# Altium PCB 06042024_LaserCueing.PcbDoc (continued)
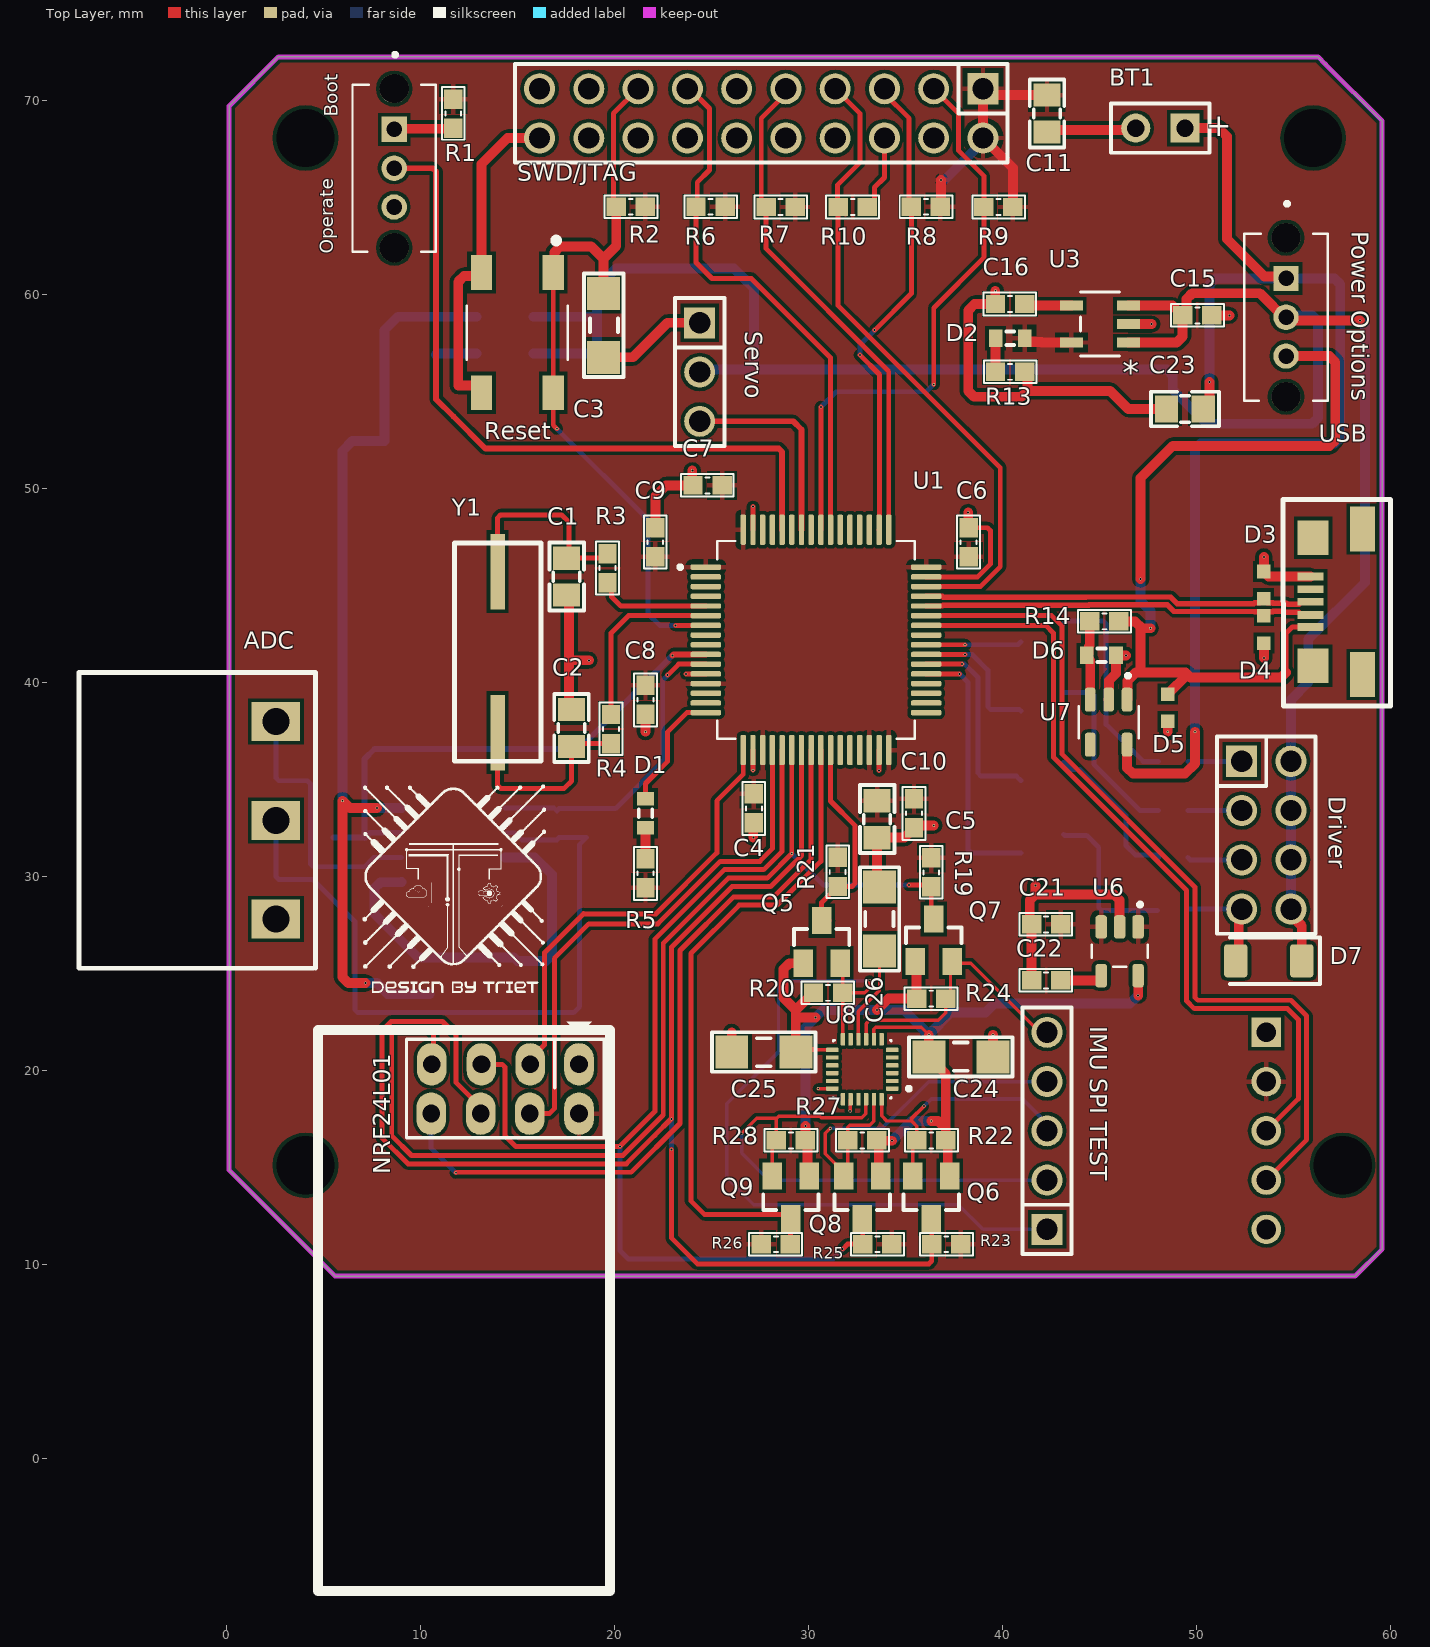
[diagram p0: Top Layer view]
## Part data
ADC: "Cắm", Chung_Loai=Cắm, Don_Vi=Con, Ma_Hang=MH000760, Ten_Linh_Kien="CON 3 2EDG5.08-3P 5.08MM ( Xanh Cong)"
Boot "Power Options": "Switch Slide ON ON SPDT Top Slide 0.1A 12VDC 10000Cycles PC Pins Thru-Hole Bulk", Package=None, Availability=Unavailable, MF="{'manufacturer': u'C&K'}", MP=OS102011MS2QN1, Price=None
BT1: "Multicell Battery", LatestRevisionDate=17-Jul-2002, LatestRevisionNote="Re-released for DXP Platform.", PackageDescription="Battery; 2 Leads", PackageReference=BAT-2, Published=24-Mar-1999, Publisher="Altium Limited"
C1 C2: library part "Tu 0805 20pF 50V 10%", "Dán", Chung_Loai=Dán, Don_Vi=Con, Ma_Hang=MH004558, So_Chan=2, Ten_Linh_Kien="Tụ 0805 20P 10% 50V"
C3 C24 C25 C26: library part "Tu 1206 104 50V 20%", "Dán", Chung_Loai=Dán, Don_Vi=Con, Ma_Hang=MH004544, So_Chan=2, Ten_Linh_Kien="Tụ 1206 104-0.1uF 20% 50V"
C4 C5 C6 C7 C8 C9: library part "Tu 0603 103 50V 10%", "Dán", Chung_Loai=Dán, Don_Vi=Con, Ma_Hang=MH004567, So_Chan=2, Ten_Linh_Kien="Tụ 0603 103-10nF 10% 50V"
C10 C11: library part "Tu 0805 225 25V 10%", "Dán", Chung_Loai=Dán, Don_Vi=Con, Ma_Hang=MH007483, So_Chan=2, Ten_Linh_Kien="Tụ 0805 225-2.2uF 25V 10%"
C12 C14: library part "Tu 0603 470pF 50V 10%", "Dán", Chung_Loai=Dán, Don_Vi=Con, Ma_Hang=MH004571, So_Chan=2, Ten_Linh_Kien="Tụ 0603 470P 50V 10%"
C13: library part "Tu 1206 105 50V 20%", "Dán", Chung_Loai=Dán, Don_Vi=Con, Ma_Hang=MH004545, So_Chan=2, Ten_Linh_Kien="Tụ 1206 105-1uF 20% 50V"
C15 C16 C17 C18 C19 C20 C21 C22: library part "Tu 0603 105 16V 20%", "Dán", Chung_Loai=Dán, Don_Vi=Con, Ma_Hang=MH004574, So_Chan=2, Ten_Linh_Kien="Tụ 0603 105-1uF 20% 16V"
C23: library part "Tu 0805 10pF 50V 10%", "Dán", Chung_Loai=Dán, Don_Vi=Con, Ma_Hang=MH004554, So_Chan=2, Ten_Linh_Kien="Tụ 0805 10P 10% 50V"
D1 D2 D6: library part Diode, "Default Diode", PackageDocument=Sep-1996, Code_JEDEC=DO-214-AB, LatestRevisionDate=17-Jul-2002, LatestRevisionNote="Re-released for DXP Platform.", PackageReference=SMC, Published=8-Jun-2000, Publisher="Altium Limited"
D3 D4 D5 U2 U6 U7: Package=None, Availability=Unavailable, Price=None
  D3 D4 D5: MF="{'manufacturer': u'TDK'}", MP=AVRL161A1R1NTA
  U2: MF="{'manufacturer': u'Texas Instruments'}", MP=OPA2335AID
  U6: MF="{'manufacturer': u'Texas Instruments'}", MP=TPS73618DBVTG4
  U7: MF="{'manufacturer': u'Analog Devices'}", MP=MAX1555EZK+
Driver: library part "JP 2x4 2.54 Duc Thang", "Cắm", Chung_Loai=Cắm, Don_Vi=Con, Ma_Hang=MH002686, Ten_Linh_Kien="Jump Đôi Đực 2.54MM 2x40P Thẳng 11MM"
"IMU SPI TEST": library part "JP 1x5 2.54 Duc Thang", "Cắm", Chung_Loai=Cắm, Don_Vi=Con, Ma_Hang=MH000903, Ten_Linh_Kien="Jump Đơn Đực 2.54MM 1x40P Thẳng 11MM"
JDY-18: library part "JP 1x5 2.54 Cai Cong", "Cắm", Chung_Loai=Cắm, Don_Vi=Con, Ma_Hang=MH001265, Ten_Linh_Kien="Jump Đơn Cái 2.54MM 1x40P Cong"
Q1 Q2 Q3 Q4 Q5 Q6 Q7 Q8 Q9: "<b>N-Channel MOSFET</b>    <a href=\"https://pricing.snapeda.com/parts/SI2312/Micro%20Commercial%20Components/view-part?ref=eda\">Check availability</a> <a href=\"https://pricing.snapeda.com/parts/SI2312/Micro%20Commercial%20Components/view-part?ref=eda\">Check availability</a>", Package=None, Availability=Unavailable, MF="{'manufacturer': u'Micro Commercial Components'}", MP=SI2312-TP, Price=None
R1 R2: library part "Tro 0603 1% 10k", "Dán", Chung_Loai=Dán, Don_Vi=Con, Ma_Hang=MH006333, So_Chan=2, Ten_Linh_Kien="Trở 0603 1% 10k"
R3 R4: library part "Tro 0603 1% 0R", "Dán", Chung_Loai=Dán, Don_Vi=Con, Ma_Hang=MH005792, So_Chan=2, Ten_Linh_Kien="Trở 0603 1% 0R"
R5 R14: library part "Tro 0603 1% 1k", "Dán", Chung_Loai=Dán, Don_Vi=Con, Ma_Hang=MH006334, So_Chan=2, Ten_Linh_Kien="Trở 0603 1% 1k"
R6 R7 R8 R9 R10: library part "Tro 0603 5% 4.7k", "Dán", Chung_Loai=Dán, Don_Vi=Con, Ma_Hang=MH006327, So_Chan=2, Ten_Linh_Kien="Trở 0603 5% 4.7k"
R11 R12: library part "Tro 0603 1% 3.9k", "Dán", Chung_Loai=Dán, Don_Vi=Con, Ma_Hang=MH005793, So_Chan=2, Ten_Linh_Kien="Trở 0603 1% 3.9k"
R13: library part "Tro 0603 5% 1k", "Dán", Chung_Loai=Dán, Don_Vi=Con, Ma_Hang=MH006319, So_Chan=2, Ten_Linh_Kien="Trở 0603 5% 1k"
R15 R16 R17 R18: library part "Tro 0603 5% 220R", "Dán", Chung_Loai=Dán, Don_Vi=Con, Ma_Hang=MH006322, So_Chan=2, Ten_Linh_Kien="Trở 0603 5% 220R"
R19 R20 R21 R22 R23 R24 R25 R26 R27 R28: library part "Tro 0603 5% 2.2k", "Dán", Chung_Loai=Dán, Don_Vi=Con, Ma_Hang=MH006321, So_Chan=2, Ten_Linh_Kien="Trở 0603 5% 2.2k"
Reset: "Switch Tactile N.O. SPST Button Gull Wing 0.05A 12VDC 0.98N SMD T/R", Package=None, Availability=Unavailable, MF="{'manufacturer': u'ALPS'}", MP=SKQGAFE010, Price=None
Servo: library part "JP 1x3 2.54 Duc Thang", "Cắm", Chung_Loai=Cắm, Don_Vi=Con, Ma_Hang=MH000903, Ten_Linh_Kien="Jump Đơn Đực 2.54MM 1x40P Thẳng 11MM"
SWD/JTAG: library part "JP 2x10 2.54 Duc Thang", "Cắm", Chung_Loai=Cắm, Don_Vi=Con, Ma_Hang=MH002686, Ten_Linh_Kien="Jump Đôi Đực 2.54MM 2x40P Thẳng 11MM"
U1: "MCU 32-Bit STM32 ARM Cortex M4 RISC 512KB Flash 2.5V/3.3V 64-Pin LQFP Tray", Package=None, Availability=Unavailable, MF="{'manufacturer': u'STMicroelectronics'}", MP=STM32F446RET6, Price=None
U3 U5: "No Description Available", Mfr_Name="Texas Instruments", RefDes=RefDes, Type=Type
U4: "Micropower, 400mV Reference with Rail-to-Rail Buffer Amplifier", Package=None, Availability=Unavailable, MF="{'manufacturer': u'Analog Devices'}", MP=LT6650IS5#TRPBF, Price=None
U8: "Accelerometer, Gyroscope, Magnetometer, 9 Axis Sensor IÂ²C, SPI Output", Package=None, Availability=Unavailable, MF="{'manufacturer': u'TDK InvenSense'}", MP=ICM-20948, Price=None
Y1: library part "Crystal 16MHz 20pF 2-Pin", "Crystal 16MHz 20pF 2-Pin HC-49/SD", Package="HC49/US Fox", Digi-Key_Part_Number=631-1017-2-ND, Digi-Key_Purchase_URL=https://www.digikey.tw/product-detail/en/fox-electronics/FC4SDCBMF16.0-T1/631-1017-2-ND/1024609?utm_source=snapeda&utm_medium=aggregator&utm_campaign=symbol, MF=Fox, MP=FOXSDLF/160-20, SnapEDA_Link=https://www.snapeda.com/parts/FOXSDLF/160-20/Fox%20Electronics/view-part/?ref=snap
D7: Datasheet=https://diotec.com/de/produktliste/SBD.html, ki_description="Schottky Diode", ki_keywords=Schottky, Reference=D

## Free pads (board coordinates)
  round 1.524 hole 3: 2(4.064,68.072) 3(4.064,15.113) 4(57.531,15.113) 5(56.007,68.072)

## Via types
v1: diameter 0.15, hole 0.1, Top Layer to Bottom Layer, 61 vias

## Nets (pads, with @x,y where several pads share a name; then routed paths per layer and width w, separated by ;. In a path a pad name is that pad's centre, name@x,y a point inside that pad or via, vN(x,y) a via of type N, cw(c..) or ccw(c..) an arc to the next point about the centre after c; other vN are vias at no path point)
0.4V: C18.1 U2.3 U2.5 U4.1 U4.5 | length 20.1
  Bottom Layer w0.508: U2.5 8.999,29.703 7.921,29.703 7.623,29.406 7.623,28.064 9.855,25.832 U4.5 U4.1 14.796,25.832 C18.1 14.998,25.654 16.466,25.654 16.764,25.952 16.764,30.099 15.875,30.988 U2.3
+1.8V: C24.1 C25.1 Q5.1 Q6.1 Q7.1 Q8.1 Q9.1 R20.2 R22.2 R24.2 R27.2 R28.2 U6.5 U8.8 U8.13 | length 59.1
  Top Layer w0.178: 30.353,21.082 31.205,21.082 U8.13 ; U8.8 33.366,22.121 33.47,22.225 35.814,22.225 v1(36.195,21.844)
  Top Layer w0.254: C25.1 29.464,21.082 30.353,21.082
  Top Layer w0.508: C25.1 29.337,22.86 ; Q5.1 29,25.527 28.702,25.229 28.702,23.75 29.337,23.115 ; v1(29.845,17.132) 29.845,16.41 R28.2 29.933,16.298 29.933,14.665 Q9.1 ; R20.2@30.225,24.003 29.337,23.115 ; v1(30.353,22.733) 29.464,22.733 29.337,22.86 ; R27.2 R27.2@33.531,16.383 ; v1(33.528,23.114) 34.121,23.707 R24.2 35.56,23.719 35.56,25.552 Q7.1 ; Q8.1 33.616,14.665 33.616,16.298 R27.2@33.531,16.383 ; v1(34.29,16.383) R27.2@33.531,16.383 ; v1(36.195,21.844) C24.1 37.072,19.824 37.072,17.006 ; v1(36.322,17.399) 36.679,17.399 37.072,17.006 ; Q6.1 37.172,14.665 37.172,16.298 R22.2 37.072,17.006 ; U6.5 46.99,24.887 v1(46.99,23.876) ; 29.337,22.86 29.337,23.115
  Bottom Layer w0.508: v1(29.845,17.132) 29.845,22.225 v1(30.353,22.733) 30.734,23.114 v1(33.528,23.114) 34.925,23.114 v1(36.195,21.844) 37.338,22.987 39.116,22.987 39.586,23.457 46.571,23.457 v1(46.99,23.876) ; v1(34.29,16.383) 35.306,17.399 v1(36.322,17.399)
+3.3V_STM32: C4.1 C5.1 C6.1 C7.1 C8.1 C9.1 C10.1 C11.1 C21.1 D2.1 JDY-18.2 NRF24L01.2 R1.2 R2.2 R5.2 R6.2 R7.2 R8.2 R9.2 R19.2 R21.2 R23.2 R25.2 R26.2 SWD/JTAG.1 SWD/JTAG.20 U1.1 U1.13 U1.19 U1.30 U1.32 U1.48 U1.64 U3.5 U6.1 U6.3 | length 17.4
  Top Layer w0.508: R8.2 36.83,64.496 v1(36.83,65.913) ; R9.2 40.533,66.528 SWD/JTAG.20 SWD/JTAG.1 39.313,70.288 C11.1 ; D2.1 41.136,57.65 41.232,57.554 42.014,57.554 42.037,57.531 U3.5
  Bottom Layer w0.508: v1(36.83,65.913) 37.007,65.913 38.989,67.895 SWD/JTAG.20
+5V: "Power Options.2" C15.1 C19.1 D7.K Driver.5 Driver.6 Driver.7 Driver.8 Servo.2 U3.1 U3.3 U5.1 U5.3 | length 115.9
  Top Layer w0.508: U3.1 48.978,57.531 49.276,57.829 49.276,58.915 48.76,59.431 U3.3 ; C15.1 49.479,59.119 49.479,59.773 49.777,60.071 53.259,60.071 54.656,58.674 v1(58.42,58.674) ; Driver.5 54.864,28.021 55.421,27.464 D7.K
  Bottom Layer w0.508: U5.3 18.798,56.962 19.096,57.26 C19.1 ; U5.1 19.043,58.862 C19.1 ; Servo.2 24.511,56.134 27.178,56.134 ; 54.61,58.833 54.705,58.928 55.963,58.928 56.261,58.63 56.261,53.638 55.963,53.34 50.546,53.34 48.768,55.118 48.768,55.836 48.47,56.134 27.178,56.134 ; Driver.5 Driver.6 Driver.7 Driver.8 54.864,39.116 55.753,40.005 55.753,42.232 58.674,45.153 58.674,58.42 v1(58.42,58.674) ; C19.1 19.096,60.371 20.066,61.341 26.162,61.341 27.178,60.325 27.178,56.134
+AVCC: C13.1 C17.1 U2.8 U4.4 U5.5 | length 48.3
  Top Layer w0.508: v1(7.163,24.511) 6.267,24.511 5.969,24.809 v1(5.969,33.909) 6.096,33.782 6.35,33.528 v1(7.747,33.528)
  Bottom Layer w0.508: v1(5.969,33.909) 5.969,51.943 6.476,52.45 C13.1 8.128,58.166 8.824,58.862 U5.5 ; v1(7.163,24.511) 7.735,24.511 C17.1 7.747,24.498 8.293,23.952 U4.4 ; v1(7.747,33.528) U2.8
+V_Bat: "Power Options.1" BT1.1 C23.1 U7.5 | length 61.9
  Top Layer w0.508: U7.5 46.416,35.604 46.714,35.306 49.403,35.306 49.911,35.814 v1(49.911,37.465) ; BT1.1 51.137,68.58 51.562,68.155 51.562,62.865 53.492,60.935 54.508,60.935 54.61,60.833 ; C23.1 50.673,54.43 v1(50.673,55.499)
  Bottom Layer w0.508: v1(49.911,37.465) 49.911,52.026 50.209,52.324 57.106,52.324 57.404,52.622 57.404,60.535 57.106,60.833 54.61,60.833 50.971,60.833 50.673,60.535 v1(50.673,55.499)
+V_USB: "Power Options.3" D5.1 R14.2 U7.1 USB.1 | length 44.5
  Top Layer w0.254: 54.61,40.513 54.61,42.545 54.931,42.866 USB.1
  Top Layer w0.508: R14.2 46.819,43.156 ; U7.1 46.437,39.137 46.437,40.087 46.863,40.513 47.244,40.513 ; v1(47.117,45.339) 47.117,50.546 48.768,52.197 56.852,52.197 57.15,52.495 57.15,56.535 56.852,56.833 54.61,56.833 ; v1(47.625,42.799) 47.176,42.799 46.819,43.156 ; D5.1 49.53,40.419 ; 54.61,40.513 54.356,40.259 49.69,40.259 49.53,40.419 ; 46.819,43.156 47.117,42.858 47.117,40.64 47.244,40.513 ; 47.244,40.513 49.436,40.513 49.53,40.419
  Bottom Layer w0.508: v1(47.117,45.339) 47.117,44.196 47.625,43.688 v1(47.625,42.799)
Boot: Boot.2 U1.60 | length 36.9
  Top Layer w0.3: Boot.2 10.619,66.516 10.795,66.34 10.795,54.61 11.694,53.711 13.335,52.07 28.455,52.07 28.631,51.894 U1.60
GND: ADC.1 Boot.3 BT1.2 C1.2 C2.2 C3.2 C4.2 C5.2 C6.2 C7.2 C8.2 C9.2 C10.2 C11.2 C13.2 C15.2 C16.2 C17.2 C18.2 C19.2 C20.2 C21.2 C22.2 C23.2 C24.2 C25.2 C26.2 D3.2 D4.2 D5.2 D6.2 JDY-18.1 NRF24L01.1 pad.2 pad.3 pad.4 pad.5 Q1.2 Q2.2 Q3.2 Q4.2 R10.1 R13.2 Reset.3 Reset.4 Servo.1 SWD/JTAG.11 SWD/JTAG.12 SWD/JTAG.13 SWD/JTAG.14 SWD/JTAG.15 SWD/JTAG.16 SWD/JTAG.17 SWD/JTAG.18 SWD/JTAG.19 U1.12 U1.18 U1.31 U1.47 U1.63 U2.4 U3.2 U4.2 U5.2 U6.2 U7.2 U8.18 U8.20 USB.5 | length 104.6
  Top Layer w0.178: v1(30.496,19.066) U8.18 ; v1(32.137,17.913) 32.143,17.919 32.143,18.498 U8.20
  Top Layer w0.254: v1(23.685,40.449) U1.12 ; v1(27.131,35.48) U1.18 ; U1.63 v1(27.131,49.069) ; R10.1 33.048,64.516 33.396,64.864 33.396,65.527 33.909,66.04 SWD/JTAG.18 ; v1(33.631,35.457) U1.31 ; U1.47 38.718,45.449 39.37,46.101 39.37,47.833 39.221,47.982 C6.2
  Top Layer w0.508: Reset.4 13.136,55.01 12.84,55.306 11.938,55.306 11.938,60.662 12.236,60.96 12.957,60.96 Reset.3 13.136,66.73 14.478,68.072 SWD/JTAG.11 ; C1.2 17.651,44.383 17.651,41.148 ; C2.2 17.651,38.737 17.651,41.148 ; v1(18.669,41.148) 17.651,41.148 ; C3.2 20.955,56.769 22.733,58.547 Servo.1 ; v1(21.59,37.465) C8.2 ; C9.2 22.098,49.613 22.65,50.165 C7.2 24.003,50.199 v1(24.003,50.927) ; v1(26.035,21.971) 26.035,20.957 C25.2 ; v1(27.149,32.009) 27.149,32.737 C4.2 ; C26.2 33.528,29.589 C10.2 34.95,32.004 35.433,32.487 C5.2 35.56,32.639 v1(36.449,32.639) ; v1(38.227,48.768) 38.227,47.999 C6.2 ; C24.2 39.497,20.703 v1(39.497,21.844) ; v1(39.624,60.198) 39.624,59.527 C16.2 38.56,59.515 38.227,59.182 38.227,55.035 38.525,54.737 40.977,54.737 41.275,55.035 ; R13.2 41.275,55.878 41.275,55.035 ; C22.2 C21.2 41.402,27.624 41.402,28.785 41.7,29.083 ; v1(41.7,29.547) 41.7,29.083 ; C11.2 42.384,68.484 46.767,68.484 BT1.2 ; U7.2 45.487,39.137 45.487,40.107 45.847,40.467 D6.2 v1(46.355,41.402) ; U6.2 46.035,28.785 45.737,29.083 41.7,29.083 ; U3.2 v1(47.686,58.481) ; C23.2 46.479,54.105 45.549,55.035 41.275,55.035 ; v1(48.514,37.465) D5.2 ; C15.2 v1(51.689,58.928) ; v1(53.467,41.275) D4.2 ; v1(53.467,46.482) 53.467,45.741 D3.2 53.712,45.466 USB.5
IMU_CS: Q9.3 R26.1 U1.25 | length 34
  Top Layer w0.254: R26.1 29.059,12.341 28.827,12.573 24.638,12.573 23.927,13.284 23.927,26.035 26.416,28.524 28.373,28.524 30.631,30.782 U1.25
IMU_INT: Q5.3 R21.1 U1.26 | length 10.9
  Top Layer w0.254: Q5.3@30.353,28.206 30.573,28.206 30.667,28.3 30.667,28.659 31.123,29.115 31.148,29.115 31.496,29.463 R21.1 32.236,29.488 32.385,29.637 32.385,32.639 31.131,33.893 U1.26 ; Q5.3 Q5.3@30.927,27.981 ; Q5.3@30.863,27.918 Q5.3@31.054,27.727
IMU_MISO: "IMU SPI TEST.5" Q7.2 R24.1 U8.9 | length 14.2
  Top Layer w0.178: U8.9 32.966,22.425 33.134,22.593 36.69,22.593 37.072,22.975 R24.1 37.315,23.95 37.315,25.527 38.354,25.527 41.91,21.971 42.291,21.971
IMU_MOSI: "IMU SPI TEST.3" Q6.2 R22.1 U8.24 | length 14
  Top Layer w0.178: U8.24 33.766,17.669 34.036,17.399 35.306,17.399 35.572,17.133 R22.1 35.372,16.198 Q6.2
  Top Layer w0.2: 35.306,17.399 35.306,17.526 v1(35.941,18.161)
  Bottom Layer w0.2: v1(35.941,18.161) 36.322,18.542 41.021,18.542 41.904,17.659 41.904,17.657 42.291,17.27 42.291,16.891
IMU_SCK: "IMU SPI TEST.4" Q8.2 R27.1 U8.23 | length 20.3
  Top Layer w0.178: v1(31.115,17.018) 30.861,16.764 30.861,15.72 31.816,14.765 Q8.2 32.016,14.765 32.016,17.066 32.12,17.17 33.16,17.17 33.366,17.376 U8.23
  Bottom Layer w0.178: v1(31.115,17.018) 33.782,17.018 36.195,19.431 42.291,19.431
INPUT_1: ADC.3 C14.2 R12.1 U2.6 | length 13.9
  Bottom Layer w0.254: ADC.3 2.54,35.086 2.689,34.938 4.169,34.938 4.318,34.789 4.318,30.654 4.467,30.505 C14.2 7.112,30.505 7.595,30.988 U2.6
INPUT_2: ADC.2 C12.2 R11.1 U2.2 | length 37.5
  Bottom Layer w0.254: ADC.2 2.54,29.994 2.689,29.845 4.445,29.845 6.604,27.686 6.604,23.136 6.753,22.987 17.885,22.987 18.194,23.296 18.194,31.656 R11.1 17.133,32.004 C12.2 15.213,31.889 14.844,32.258 U2.2
LED1: Driver.1 R15.2 | length 2.8
  Bottom Layer w0.254: R15.2 Driver.1
LED2: Driver.2 R16.2 | length 2.8
  Bottom Layer w0.254: R16.2 Driver.2
LED3: Driver.3 R18.2 | length 2.8
  Bottom Layer w0.254: R18.2 49.67,30.861 Driver.3
NetBoot_1: Boot.1 R1.1 | length 3.1
  Top Layer w0.508: Boot.1 8.668,68.548 11.652,68.548 R1.1
NetC1_1: C1.1 R3.2 Y1.1 | length 10.8
  Top Layer w0.254: Y1.1 13.97,48.492 14.119,48.641 17.272,48.641 17.653,48.26 17.653,46.542 C1.1 19.397,46.412 R3.2
NetC2_1: C2.1 R4.1 Y1.2 | length 10.6
  Top Layer w0.254: Y1.2 13.97,34.693 14.119,34.544 17.399,34.544 17.78,34.925 C2.1 17.926,36.854 R4.1
NetC16_1: C16.1 U3.4 | length 2.4
  Top Layer w0.508: C16.1 41.22,59.431 U3.4
NetC20_1: C20.1 U5.4 | length 2.1
  Bottom Layer w0.508: C20.1 10.861,56.962 U5.4
NetC22_1: C22.1 U6.4 | length 2.3
  Top Layer w0.508: C22.1 45.044,24.647 45.085,24.688 U6.4
NetC26_1: C26.1 U8.10 | length 5
  Top Layer w0.178: U8.10 32.566,23.041 33.655,24.13 C26.1
NetD1_1: D1.1 R5.1 | length 1.6
  Top Layer w0.508: R5.1 D1.1
NetD1_2: D1.2 U1.16 | length 6.3
  Top Layer w0.254: D1.2 21.59,34.798 22.733,35.941 22.733,37.465 23.717,38.449 U1.16
NetD2_2: D2.2 R13.1 | length 1.7
  Top Layer w0.508: R13.1 D2.2
NetD6_1: D6.1 R14.1 U7.3 | length 4.2
  Top Layer w0.508: R14.1 44.494,41.919 44.443,41.868 44.443,41.498 D6.1 44.347,41.302 44.516,41.133 U7.3
NetQ1_3: Q1.3 R15.1 | length 11
  Bottom Layer w0.254: Q1.3 43.273,43.18 45.19,43.18 45.339,43.031 45.339,37.846 47.244,35.941 R15.1
NetQ2_3: Q2.3 R16.1 | length 9.5
  Bottom Layer w0.254: Q2.3 43.151,39.497 44.555,39.497 44.704,39.348 44.704,35.79 47.093,33.401 R16.1
NetQ3_3: Q3.3 R17.1 | length 8.3
  Bottom Layer w0.254: Q3.3 43.2,32.121 44.333,32.121 44.958,31.496 44.958,28.39 45.107,28.241 R17.1
NetQ4_3: Q4.3 R18.1 | length 7.8
  Bottom Layer w0.254: Q4.3 43.519,35.518 43.984,35.518 46.355,33.147 46.355,31.599 46.839,31.115 47.916,31.115 R18.1
NRF24_CE: NRF24L01.3 U1.17 | length 23
  Top Layer w0.254: NRF24L01.3 15.646,20.583 16.383,21.32 16.383,26.079 18.393,28.089 18.415,28.067 22.122,28.067 25.273,31.218 25.273,33.909 26.631,35.267 U1.17
NRF24_CSN: NRF24L01.4 U1.20 | length 27.8
  Top Layer w0.254: NRF24L01.4 16.637,17.78 16.891,18.034 16.891,25.781 18.669,27.559 22.225,27.559 25.451,30.785 27.483,30.785 28.131,31.433 U1.20
NRF24_INT: NRF24L01.8 U1.24 | length 39.4
  Top Layer w0.254: v1(11.811,14.732) 11.836,14.757 20.853,14.757 23.368,17.272 23.368,26.186 26.138,28.956 28.194,28.956 30.131,30.893 U1.24
  Bottom Layer w0.254: NRF24L01.8 10.541,16.002 v1(11.811,14.732)
NRST: C3.1 R2.1 Reset.1 Reset.2 SWD/JTAG.8 U1.7 | length 38.2
  Top Layer w0.254: Reset.1 Reset.2 16.836,53.268 v1(17.018,53.086) ; R2.1 19.939,64.673 19.939,69.342 SWD/JTAG.8 ; v1(23.137,42.949) U1.7
  Top Layer w0.508: Reset.1 16.891,61.194 16.891,62.186 17.189,62.484 18.796,62.484 19.431,61.849 ; C3.1 19.431,61.849 ; R2.1 20.081,62.499 19.431,61.849
  Bottom Layer w0.254: v1(17.018,53.086) 21.717,48.387 21.717,43.561 22.329,42.949 v1(23.137,42.949)
OSC_IN: R3.1 U1.5 | length 5.9
  Top Layer w0.254: R3.1 19.848,44.93 19.848,44.414 20.313,43.949 U1.5
OSC_OUT: R4.2 U1.6 | length 9.5
  Top Layer w0.254: R4.2 19.812,42.545 20.716,43.449 U1.6
PB6: Servo.3 U1.58 | length 10.6
  Top Layer w0.3: Servo.3 29.21,53.467 29.631,53.046 U1.58
PC2: C14.1 R12.2 U1.10 U2.7 | length 27.5
  Top Layer w0.3: v1(22.987,41.402) 23.034,41.449 U1.10
  Bottom Layer w0.3: C14.1 7.087,32.005 R12.2 ; U2.7 7.39,32.258 R12.2 ; v1(22.987,41.402) 18.161,36.576 7.62,36.576 7.112,36.068 R12.2
PC3: C12.1 R11.2 U1.11 U2.1 | length 16
  Top Layer w0.254: v1(22.733,40.386) 23.296,40.949 U1.11
  Bottom Layer w0.254: U2.1 16.879,33.528 C12.1 17.133,33.504 R11.2 20.042,33.504 22.479,35.941 22.479,40.132 v1(22.733,40.386)
PC6: Q3.1 U1.37 | length 13.8
  Top Layer w0.254: U1.37 v1(37.782,40.449)
  Bottom Layer w0.254: v1(37.782,40.449) 38.227,40.004 38.227,31.373 38.376,31.224 Q3.1
PC7: Q4.1 U1.38 | length 10.3
  Top Layer w0.254: U1.38 v1(37.918,40.949)
  Bottom Layer w0.254: v1(37.918,40.949) 38.045,40.949 38.735,40.259 38.735,35.328 38.884,35.179 40.708,35.179 Q4.1
PC8: Q2.1 U1.39 | length 7.2
  Top Layer w0.254: U1.39 v1(38.053,41.449)
  Bottom Layer w0.254: v1(38.053,41.449) 38.434,41.449 39.243,40.64 39.243,38.757 39.392,38.608 40.88,38.608 Q2.1
PC9: Q1.1 U1.40 | length 4.9
  Top Layer w0.254: U1.40 v1(38.061,41.949)
  Bottom Layer w0.254: v1(38.061,41.949) 40.792,41.949 Q1.1
S_IMU_CS: "IMU SPI TEST.2" Q9.2 R28.1 U8.22 | length 28.1
  Top Layer w0.178: v1(26.543,16.764) 27.317,17.538 28.333,17.538 R28.1 28.133,16.198 Q9.2 ; 28.333,17.526 28.46,17.653 30.561,17.653 30.657,17.557 32.732,17.557 32.945,17.77 32.945,18.5 U8.22
  Bottom Layer w0.178: v1(26.543,16.764) 26.543,15.748 27.94,14.351 42.291,14.351
S_IMU_INT: "IMU SPI TEST.1" Q5.2 R20.1 U8.12 | length 39.5
  Top Layer w0.178: U8.12 31.766,23.987 R20.1 ; Q5.2@31.938,25.613 31.75,25.425 R20.1 ; v1(33.147,24.638) 33.147,24.257 32.893,24.003 R20.1
  Bottom Layer w0.178: v1(33.147,24.638) 28.552,24.638 28.448,24.534 28.448,20.955 25.781,18.288 25.781,14.478 27.178,13.081 37.719,13.081 38.989,11.811 42.291,11.811
SPI_MISO: NRF24L01.7 Q7.3 R19.1 U1.22 | length 56.6
  Top Layer w0.254: NRF24L01.7 10.668,20.422 10.668,21.844 10.414,22.098 8.658,22.098 8.509,21.949 8.509,16.637 9.525,15.621 20.423,15.621 21.641,16.839 21.641,16.843 22.504,17.707 22.504,26.568 25.856,29.92 27.864,29.92 v1(29.131,31.187) U1.22 ; v1(35.179,29.567) 36.219,29.567 R19.1 ; Q7.3@36.322,27.77 R19.1@36.322,29.234
  Bottom Layer w0.254: v1(29.131,31.187) 29.138,31.187 30.758,29.567 v1(35.179,29.567)
SPI_MOSI: NRF24L01.6 Q6.3 R23.1 U1.23 | length 76.2
  Top Layer w0.254: NRF24L01.6 13.094,18.11 11.811,19.393 11.811,21.844 11.125,22.53 8.479,22.53 8.001,22.052 8.001,16.534 9.346,15.189 20.602,15.189 22.073,16.66 22.073,16.665 22.908,17.5 v1(22.936,17.5) 22.936,26.365 26.059,29.488 28.043,29.488 29.631,31.077 U1.23 ; v1(22.936,15.926) 22.936,11.354 24.257,10.033 36.197,10.033 36.346,10.182 R23.1 36.346,12.341 Q6.3
  Bottom Layer w0.254: v1(22.936,15.926) v1(22.936,17.5)
SPI_SCK: NRF24L01.5 Q8.3 R25.1 U1.21 | length 55.8
  Top Layer w0.254: NRF24L01.5 14.202,20.32 14.351,20.171 14.351,18.751 14.351,16.637 14.912,16.076 v1(20.267,16.076) 20.267,16.081 22.073,17.886 22.073,26.772 25.654,30.353 27.686,30.353 28.631,31.298 U1.21 ; v1(31.75,10.795) 32.004,11.049 R25.1 32.79,12.341 Q8.3
  Bottom Layer w0.254: v1(20.267,16.076) 20.267,10.721 20.701,10.287 31.242,10.287 v1(31.75,10.795)
TCK: R7.1 SWD/JTAG.5 U1.49 | length 26
  Top Layer w0.254: SWD/JTAG.5 28.829,70.358 27.559,69.088 27.559,64.763 R7.1 27.806,62.364 34.131,56.039 U1.49
TDI: R8.1 SWD/JTAG.3 U1.50 | length 24.8
  Top Layer w0.254: v1(32.639,56.896) 33.655,55.88 33.655,48.602 33.644,48.591 33.644,47.892 U1.50 ; v1(33.401,58.166) 35.294,60.059 R8.1 35.179,64.647 35.179,69.088 33.909,70.358 SWD/JTAG.3
  Bottom Layer w0.254: v1(32.639,56.896) 32.639,57.404 v1(33.401,58.166)
TDO: R6.1 SWD/JTAG.7 U1.55 | length 27.6
  Top Layer w0.254: SWD/JTAG.7 23.876,70.612 24.892,69.596 24.892,66.421 24.257,65.786 24.257,64.594 R6.1 24.195,61.657 25.019,60.833 27.051,60.833 31.131,56.753 U1.55
TMS: R10.2 SWD/JTAG.4 U1.46 | length 33.4
  Top Layer w0.254: SWD/JTAG.4 32.639,69.342 32.639,66.802 31.496,65.659 31.496,64.543 R10.2 31.523,59.434 39.878,51.078 39.878,45.974 38.853,44.949 U1.46 ; R10.2@31.896,64.143 R10.2@31.896,64.168
TRST: R9.1 SWD/JTAG.2 U1.56 | length 30
  Top Layer w0.254: U1.56 v1(30.631,54.205) ; v1(36.449,55.372) 36.449,59.309 39.033,61.893 R9.1 39.033,66.123 37.719,67.437 37.719,69.342 SWD/JTAG.2
  Bottom Layer w0.254: v1(30.631,54.205) 31.417,54.991 36.068,54.991 v1(36.449,55.372)
UART_Rx: JDY-18.4 U1.43 | length 44.7
  Top Layer w0.254: U1.43 42.53,43.449 43.053,42.926 43.053,36.322 49.911,29.464 49.911,23.771 50.06,23.622 54.864,23.622 55.677,22.809 55.677,16.434 JDY-18.4
UART_Tx: JDY-18.3 U1.42 | length 41.1
  Top Layer w0.254: U1.42 42.217,42.949 42.621,42.545 42.621,36.143 49.479,29.286 49.479,23.592 49.881,23.19 54.685,23.19 55.245,22.63 55.245,18.542 JDY-18.3
USB_N: D4.1 U1.44 USB.2 | length 20.3
  Top Layer w0.279: U1.44@36.062,43.95 36.889,43.95 36.936,43.996 44.456,43.996 44.465,44.005 48.494,44.005 48.833,43.666 52.963,43.666 52.985,43.645 53.256,43.645 D4.1 53.678,43.645 53.919,43.645 53.959,43.685 54.464,43.685 54.526,43.623 55.268,43.623 55.405,43.486 USB.2
USB_P: D3.1 U1.45 USB.3 | length 20.3
  Top Layer w0.279: U1.45@36.062,44.448 36.889,44.448 36.936,44.402 44.288,44.402 44.297,44.411 48.662,44.411 49.001,44.072 52.956,44.072 53,44.115 53.241,44.115 D3.1 53.662,44.115 53.934,44.115 53.959,44.09 54.632,44.09 54.694,44.029 55.268,44.029 55.405,44.166 USB.3
Vibrator: D7.A Driver.4 R17.2 | length 5.7
  Top Layer w0.508: D7.A 52.172,25.805 52.172,28.169 Driver.4
  Bottom Layer w0.254: R17.2 49.556,28.321 Driver.4
pads on no net: "Power Options." Boot. JDY-18.5 SWD/JTAG.6 SWD/JTAG.9 SWD/JTAG.10 U1.2 U1.3 U1.4 U1.8 U1.9 U1.14 U1.15 U1.27 U1.28 U1.29 U1.33 U1.34 U1.35 U1.36 U1.41 U1.51 U1.52 U1.53 U1.54 U1.57 U1.59 U1.61 U1.62 U4.3 U7.4 U8.1 U8.2 U8.3 U8.4 U8.5 U8.6 U8.7 U8.11 U8.14 U8.15 U8.16 U8.17 U8.19 U8.21 USB.4 USB.6 USB.7 USB.8 USB.9

## Polygon pours and split planes (outlines as drawn)
GND on Bottom Layer "+3.3V_STM32_L01_P001" (solid, pour order 3): 2.66,72.256 0.127,69.723 0.127,14.859 5.588,9.398 5.842,9.652 58.42,9.652 59.563,10.795 59.563,68.961 56.268,72.256
+3.3V_STM32 on Top Layer "+3.3V_STM32_L01_P001" (solid, pour order 2): 2.66,72.256 0.127,69.723 0.127,14.859 5.588,9.398 58.166,9.398 59.563,10.795 59.563,68.961 56.268,72.256

## Keep-outs
Keep-Out Layer:
  lines w0.254: 0.127,14.859 5.588,9.398 58.166,9.398 59.563,10.795 59.563,68.961 56.642,71.882 56.268,72.256 2.66,72.256 0.127,69.723 0.127,69.342 0.127,14.859

## Silkscreen, mask and mechanical layers (free items; w line width, h text height)
Top Overlay:
  drawing of 19 lines, arcs and shapes, not listed
  text "Operate" at 5.737,62.103 h1.2 r90
Bottom Overlay:
  drawing of 19 lines, arcs and shapes, not listed
  text "NRST" at 22.224,72.279 h1.2
  text "TDO" at 24.892,72.279 h1.2
  text "TCK" at 29.718,72.279 h1.2
  text "TMS" at 32.512,72.279 h1.2
  text "TRST" at 37.973,72.279 h1.2
  text "TDI" at 34.798,72.263 h1.2
  text "Battery" at 51.541,59.944 h1.2 r270
  text "GND" at 28.32,58.182 h1.2
  text "+5V" at 28.067,55.388 h1.2
  text "USB" at 51.451,55.372 h1.2 r270
  text "PB6" at 27.94,53.101 h1.2
  text "Tx" at 59.69,12.954 h1.2
  text "Rx" at 59.69,10.414 h1.2

## Text inside footprints (layer, text, board x,y; h text height)
BT1: Top Overlay "+" at 51.803,69.157 h1.15 r180
U3: Top Overlay "*" at 47.053,57.15 h1.27 r180; Mechanical 13 "*" at 45.955,58.115 h1.27 r180
U5: Mechanical 13 "*" at 15.291,58.278 h1.27; Bottom Overlay "*" at 16.389,59.243 h1.27